# KiCad board Z3660_v022.kicad_pcb (continued)
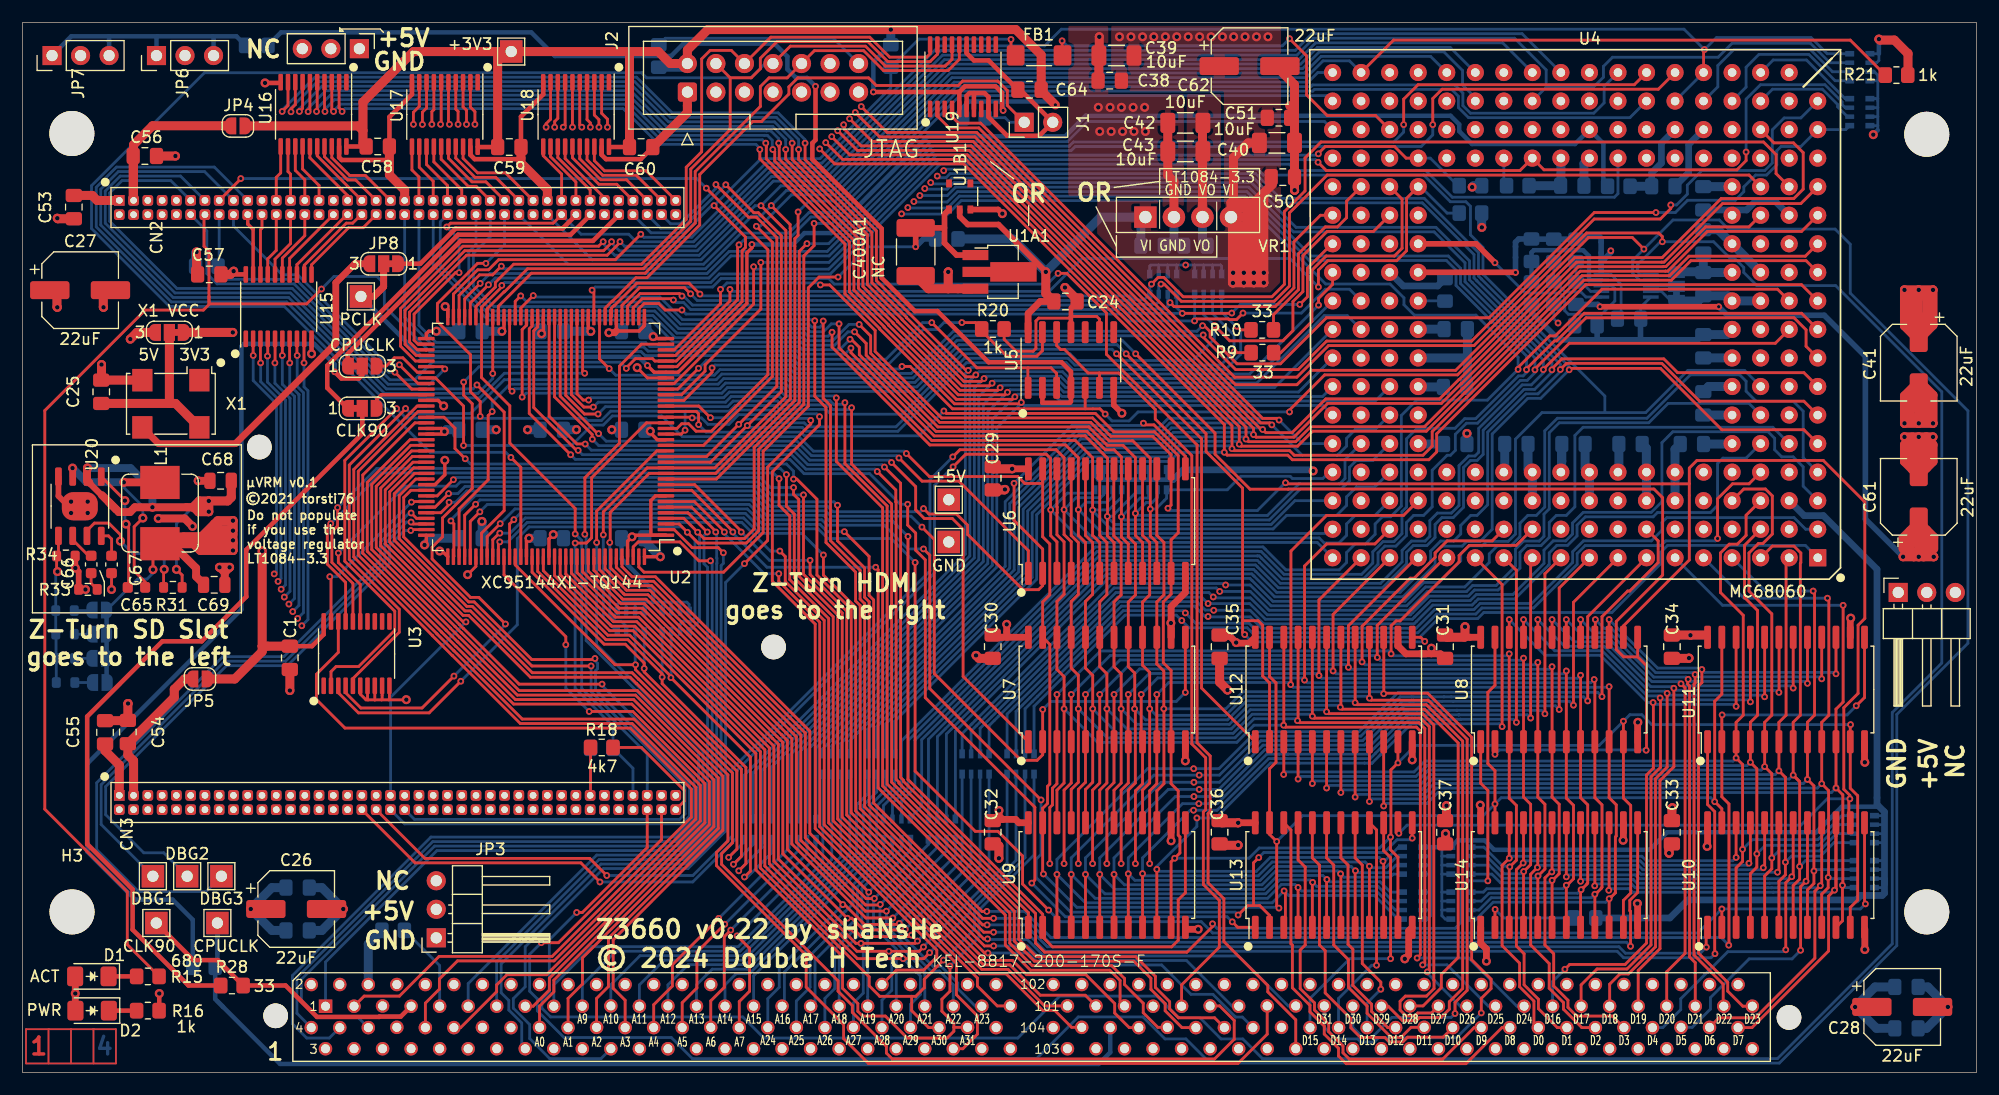
[diagram p0: board, top side]
## Routing (per net, layer and track width the routed paths; a pad name or vN(x,y) marks a point on that pad's centre or on a via; arc(x,y) is an arc through that point) (continued)
  Bottom w0.25: U4.65 117.71,54.53 117.71,52.86 117.24,52.39 113.63,52.39 110.81,49.57 99.25,49.57 v2(99.06,49.76) 100.03,50.72 100.55,50.72 101.04,51.2 RN11.6 ; 36.56,76.33 36.56,71.85 41.45,66.96 55.95,66.96 57.92,64.99 69.33,64.99 69.6,64.72 72.29,64.72 73.47,65.91 v2(74.07,65.91)
D040_31: length 105.9
  Top w0.25: 100.97,44.42 100.97,47.16 100.38,47.74 v2(100.38,50.14) 100.38,54.65 98.83,56.21 96.71,56.21 95.08,57.85 81.64,57.85 75.5,64 75.5,65.55 v2(74.47,66.57)
  Bottom w0.25: v2(74.47,66.57) 73.57,66.57 72.12,65.12 69.76,65.12 69.49,65.39 58.08,65.39 56.11,67.36 41.63,67.36 37.19,71.8 37.19,75.69 37.83,76.33 ; v2(100.38,50.14) 100.88,50.14 101.84,51.11 RN11.5 107.24,51.86 108.44,53.06 112.84,53.06 113.04,52.86 115.74,52.86 116.31,53.42 U4.60
Earth: length 456.8
  Top w0.25: U2.114 40.36,45.04 v1(39.62,44.3) ; 31.97,33.16 32.61,33.16 ; 31.97,33.16 31.36,33.16 ; 31.97,33.16 32.01,33.2 U3.9 ; 32.61,33.16 32.66,33.22 U3.10 ; 32.61,33.16 34.15,33.16 v1(34.16,33.18) ; U3.6 30.06,33.68 30.58,33.16 30.75,33.16 ; C43.2 101.94,81.29 ; 31.36,33.16 30.75,33.16 ; 31.36,33.16 U3.8 ; CN3.67 50.56,24.7 R18.1 ; U3.7 30.71,33.2 30.75,33.16 ; v1(54.71,62.72) 55.62,61.81 U2.29 ; 37.33,56.81 v1(37.56,57.04) ; R20.2 87.38,65.25 88.44,64.19 89.96,64.19 90.2,64.43 90.2,66.88 90.46,67.13 93.17,67.13 93.32,67.28 95.62,67.28 95.86,67.04 U5.9 ; v1(7.93,42.98) C67.1
  Top w0.3: v1(37.59,54.48) 37.59,53.19 36.71,52.31 U2.99 ; v1(42.67,65.96) 42.86,66.15 U2.62 ; 20.05,76.33 20.05,75.5 20.53,75.02 U15.19 ; U2.108 35.95,47.1 v1(35.79,46.95) ; U2.18 56.5,56.31 55.88,56.94 v1(55.88,57.07) ; U2.36 56.31,65.31 v1(56.13,65.49) ; v1(37.56,57.04) 37.29,57.31 U2.89 ; U2.144 56.76,45.9 v1(56.77,45.89) ; v1(45.09,47.54) 44.86,47.32 U2.123 ; U2.47 50.36,66.18 v1(50.59,65.95) ; v1(37.62,68.16) 37.86,67.93 U2.72 ; U2.90 37.33,56.81
  Top w0.4: v1(25.73,63.96) 25.73,63.96 U15.10 ; C58.2 32.66,85.03 34.67,87.04 U17.10 ; v1(21.59,88.06) 22.91,88.06 U16.10 ; R16.1 12.18,5.52 v1(12.18,7.03) ; 84.69,87.16 84.29,87.16 84.04,86.91 U19.6 ; 84.69,87.16 U19.7 ; 84.69,87.16 85.64,87.16 85.99,86.81 U19.9 85.99,85.02 87.65,83.36 90.5,83.36 J1.2 88.8,87.46 C64.2 86,90.06 84.69,90.06 84.04,90.71 U19.15 ; 32.64,81.2 28.41,81.2 28.18,81.43 U16.19 ; U17.19 39.87,81.66 40.25,81.28 44.3,81.28 44.37,81.35 44.37,85.06 46.35,87.04 U18.10 ; U5.11 93.32,68.06 C24.2 ; U18.19 51.55,81.66 51.94,81.28 55.03,81.28 C60.2
  Top w0.5: v1(87.22,76.43) 86.85,76.79 U1B1.3 ; U20.4 3.2,51.3 4.11,50.39 U20.9 ; R34.2 4.71,45.95 v1(4.71,44.89) 5,44.59 R33.2 5.6,42.99 v1(5.61,42.98) ; v1(97.86,58.67) 97.13,59.39 U5.7
  Top w0.6: U14.14 142.49,20.69 v1(142.47,20.67) ; 126.31,36.85 C31.2 126.22,37.26 125.4,37.26 ; 122.43,38.73 122.43,37.97 123.14,37.26 124.43,37.26 ; v1(123.04,10.12) 123.38,10.46 123.38,12.61 U13.12 ; 163.98,12.77 v1(163.98,10.94) ; U14.12 143.76,15.02 v1(143.74,15.04) ; 125.4,37.26 124.43,37.26 ; 125.4,37.26 125.4,37.75 v1(125.41,37.76) ; 162.69,38.73 162.69,40.39 v1(162.73,40.43) ; U11.12 163.96,27.63 v1(163.98,27.61) ; 124.43,37.26 124.91,37.26 ; U12.12 v1(123.7,27.82) ; v1(143.78,31.16) 143.76,31.15 U8.12 ; v1(104.65,12.75) 103.68,12.75 U9.12 ; U9.14 v1(102.23,20.62) ; 103.51,44.42 103.51,42.72 102.23,41.45 102.23,38.73 102.23,39.98 v1(102.22,40) ; U7.12 v1(103.51,27.73) ; U14.1 129.79,11.5 130.3,10.99 v1(130.3,9.91)
  Top w0.7: v1(15.14,48.61) 14.44,49.3 v1(12.09,49.3) ; C68.2 v1(15.64,52.66) ; 18.01,43.48 18.01,44.48 ; 18.01,44.48 v1(17.54,44.95) ; 18.01,44.48 18.44,44.92 v1(18.44,44.95)
  Top w0.8: 168.81,61.51 167.51,60.21 v1(167.51,57.77) v1(170.05,57.77) 170.05,60.27 168.81,61.51 ; 168.81,61.51 168.81,57.8 v1(168.78,57.77) ; C35.2 106.55,34.74 v1(107.26,34.04) ; 34.02,77.6 34.02,78.52 32.66,79.87 C58.2 ; v1(82.4,71.24) 82.4,69.74 ; 82.4,69.74 84.52,69.74 ; 82.4,69.74 80.64,69.74 C400A1.2 ; 169.48,53.8 169.48,56.5 169.42,56.56 ; 168.21,53.67 168.21,55.86 v1(167.51,56.56) v1(170.05,56.56) ; 113.22,85.96 C40.2 113.22,79.43 ; 113.22,85.96 113.22,87.9 111.28,89.84 ; 113.22,85.96 113.16,86.03 112.8,86.03 ; 169.55,57.83 169.55,60.12 169.16,60.5 ; 113.22,79.43 113.22,78.52 v1(113.23,78.51) ; 113.22,79.43 C50.2 ; VR1.2 102.49,79.29 101.94,79.84 101.94,81.29 ; C34.2 148.31,36.85 v1(148.34,36.88) ; C33.2 146.56,20.09 v1(146.56,19.52) 146.56,20.34 ; C55.2 9.36,31.31 C54.2 9.38,32.82 v1(9.4,32.84) ; C30.2 85.13,36.85 v1(84.87,37.11) ; v1(7.04,63) 7.04,61.64 C25.2 10.66,61.61 X1.2 ; 168.78,53.1 167.51,54.37 167.51,55.86 168.78,54.59 170.05,55.86 170.05,54.37 168.78,53.1 ; 168.78,53.1 v1(168.78,56.56) ; 26.43,14.55 v1(28.55,14.55) ; v1(108.2,20.24) 108.18,20.22 106.68,20.22 C36.2 ; v1(3.1,76.02) 3.15,75.97 C53.2 ; 169.25,5.84 v1(171.37,5.84) ; C1.2 23.8,35.86 v1(23.8,33.99) ; v1(86.91,19.07) 86.91,20.17 86.61,20.47 ; 46.72,77.6 46.72,78.59 44.37,80.93 C59.2 ; C57.2 15.49,71.12 v1(15.49,73.02) ; C60.2 59.18,85.43 J2.1 ; v1(87.45,51.89) 87.4,51.84 C29.2 ; 168.27,60.24 168.02,59.99 168.02,57.83 ; v1(95.84,92.16) 95.84,90.53 C39.2 95.81,88.33 C38.2 ; v1(168.78,57.77) 168.02,58.53 ; v1(168.78,57.77) 169.42,58.4 ; v1(17.54,44.95) v1(18.44,44.95) ; C43.2 C42.2 ; 93.87,68.77 v1(92.79,69.86) ; 7.19,69.62 7.19,68.11 v1(7.21,68.09) ; 126.67,20.37 v1(126.67,21.26) ; v1(13.61,81.55) C56.2
  In1.Cu w0.3: 51.8,76.33 53.07,77.6 ; CN3.24 23.86,24.66 ; 26.4,76.33 27.67,77.6 ; CN3.34 CN3.35 ; 45.45,76.33 46.72,77.6 ; 32.75,76.33 34.02,77.6 ; 20.05,76.33 21.32,77.6
  Bottom w0.25: 164.94,86.66 RN2.1 165.14,86.66 ; U1.5 141.41,71.01 142.29,70.12 142.29,67.4 C63.2 ; CN3.67 50.56,24.7 R1.2 ; RN1.4 165.14,88.25 ; 165.14,88.25 165.14,86.66 ; 165.14,88.25 165.14,88.75 164.84,89.06 RN1.3 ; RN2.3 165.14,85.06 ; 165.14,85.06 165.14,84.25 ; 165.14,85.06 165.14,85.86 ; 165.14,84.25 165.14,83.86 ; 165.14,84.25 RN2.4 ; RN2.2 165.14,85.86 ; 165.14,85.86 165.14,86.66 ; JP12.1 146.74,68.65 145.88,69.51 U1.9
  Bottom w0.4: v1(164.74,83.46) 165.14,83.86
  Bottom w0.5: NT1.2 140.51,72.16 ; 140.51,72.16 140.51,71.23 140.53,71.21 ; 140.51,72.16 140.56,72.16 141.38,72.97 v2(141.38,73.12)
  Bottom w0.6: C47.2 153.47,76.75 154.21,77.5 156.04,77.5 U4.110 ; U4.132 145.88,82.69 145.88,80.93 145.01,80.06 145.01,78.85 C46.2
  Bottom w0.8: U4.47 134.39,53.28 134.01,53.67 C19.2 ; C20.2 144.54,55.56 144.54,53.44 U4.20 U4.43 ; U4.186 152.17,58.51 C17.2 ; C9.2 v1(45.09,47.54) ; C13.2 26.65,16.45 v1(28.55,14.55) 26.65,12.64 C11.2 ; C23.2 139.09,53.75 139.47,53.36 139.47,50.88 ; 128.61,63.57 128.61,61.07 C16.2 ; 128.61,63.57 C49.2 ; 128.61,63.57 128.6,63.58 U4.191 ; U4.99 150.92,75 C48.2 ; C52.2 C44.2 ; C7.2 55.52,57.07 v1(55.88,57.07) ; C3.2 55.66,65.96 v1(56.13,65.49) ; U4.93 152.23,68.66 151.79,69.11 C21.2 149.14,68.65 JP12.1 ; C4.2 v1(42.67,65.96) ; CN1.10 30.78,11.44 R13.2 ; VR1.2 102.49,73.58 ; R17.1 15.41,72.93 v1(15.49,73.02) ; C2.2 50.58,65.96 v1(50.59,65.95) ; 145.01,78.85 145,78.86 R12.2 ; C12.2 169.6,7.62 v1(171.37,5.84) 169.47,3.93 C14.2 ; v1(49.3,57.21) 49.29,57.2 C6.2 ; C15.2 152.17,63.59 U4.190 ; 139.47,81.36 138.98,80.87 C45.2 ; C8.2 36.39,47.54 v1(35.79,46.95) ; v1(56.77,45.89) 55.39,47.27 C10.2 ; C22.2 128.57,56.87 v1(128.57,56.87) ; C5.2 37.72,57.2 v1(37.56,57.04) ; U4.42 U4.20 147.09,53.43 147.09,55.46 C18.2
  vias: v1(4.33,50.8) v1(4.33,49.79) v1(5.81,50.8) v1(5.81,49.79) v1(95.76,85.89) v1(95.89,83.74) v1(96.8,85.89) v1(96.9,83.74) v1(97.81,85.89) v1(97.92,83.74) v1(98.86,85.89) v1(98.93,83.74) v1(99.88,85.89) v1(99.95,83.74)
FC0: length 91.9
  Top w0.25: U2.85 35.13,59.31 29.49,53.67 29.49,45.88 36.5,38.87 36.5,38.86 38.24,37.12 38.25,37.12 44.31,31.05 54.27,31.05 59.94,25.38 59.94,22.56 47.31,9.93 38.72,9.93 37.11,8.33 37.11,7.42 35.86,6.17 CN1.20
FC1: length 87.7
  Top w0.25: CN1.24 39,4 42.21,7.2 42.21,7.79 43.12,8.71 46.65,8.71 60.34,22.39 60.34,25.55 54.43,31.45 44.48,31.45 38.41,37.52 38.41,37.52 36.9,39.03 36.9,39.04 29.89,46.04 29.89,53.5 35.2,58.81 U2.86
FC2: length 110
  Top w0.25: v2(68.63,52.81) 68.92,52.81 70.71,51.02 70.71,44.27 73.76,41.22 73.76,23.12 85.62,11.26 v2(86.44,11.26) ; U2.87 37.52,58.31 38.5,57.33 38.5,55.53 v2(39.41,54.61)
  Bottom w0.25: v2(39.41,54.61) 39.87,54.15 67.99,54.15 68.63,53.51 v2(68.63,52.81) ; CN1.125 107.67,5.9 103.6,9.97 90.74,9.97 89.45,11.26 v2(86.44,11.26)
FPGA_PRESENCE: length 28.2
  Top w0.25: v2(33.15,62.31) 34.65,60.81 U2.82
  Bottom w0.25: v2(33.15,62.31) 32.6,62.31 24.34,70.58 17.73,70.58 17.41,70.9 R17.2 17.41,71.75 17.51,71.85 17.51,76.33
I2C0_CLK: length 327.7
  Top w0.25: v2(144.32,73.27) 143.29,74.31 139.39,74.31 127.56,62.48 114.71,62.48 113.44,61.21 107.97,61.21 85.12,84.06 82.49,84.06 81.44,85.11 U19.2 ; CN3.78 56.88,20.72 47.71,11.55 v2(46.18,11.55)
  Bottom w0.25: U1.7 143.93,70.51 143.31,71.13 143.31,72.26 v2(144.32,73.27) 146.91,75.86 151.04,75.86 151.84,75.05 161.34,75.05 162.69,73.71 162.69,69.36 173.16,58.88 173.16,38.2 166.83,31.87 166.83,11.29 156.38,0.84 105.71,0.84 103.56,2.99 101.69,2.99 99.74,4.95 93.97,4.95 90.26,1.24 59.63,1.24 57.75,3.11 48.2,3.11 45.83,5.49 45.83,6.55 45.15,7.23 45.15,10.52 v2(46.18,11.55)
I2C0_SDA: length 317.2
  Top w0.25: U19.4 82.74,85.06 83.31,84.48 85.29,84.48 107.89,61.88 113.44,61.88 116.25,64.69 129.2,64.69 139.22,74.71 145.64,74.71 145.96,74.38 v2(145.96,73.92) ; CN3.76 55.61,20.02 49.83,14.24 v2(49.33,14.24)
  Bottom w0.25: U1.6 144,71.01 143.76,71.24 143.76,71.9 145.79,73.92 v2(145.96,73.92) 150.52,73.92 151.94,72.51 152.34,72.51 153.21,71.63 153.21,71.19 154.38,70.02 161.39,70.02 170.83,60.58 170.83,36.44 166.43,32.03 166.43,11.46 156.21,1.24 110.36,1.24 108.61,2.99 106.68,2.99 104.8,4.87 102.9,4.87 100.97,6.8 92.33,6.8 88.6,3.07 65.99,3.07 64.11,4.95 47.01,4.95 46.23,5.73 46.23,6.52 46.9,7.19 46.9,11.81 v2(49.33,14.24)
INT6_ARM: length 40.2
  Top w0.25: v2(49.19,47.11) 50.19,47.11 50.66,47.58 50.66,52.93 55.54,57.81 U2.21
  Bottom w0.25: CN3.73 54.34,27.07 R1.1 52.56,30.82 49.19,34.19 v2(49.19,47.11)
LEBUS0: length 56.4
  Top w0.25: U2.52 47.86,60.19 51.2,56.85 v2(51.28,56.85) ; 89.54,44.42 89.54,46.44 83.35,52.62 80.07,52.62 v2(78.01,54.68)
  Bottom w0.25: v2(51.28,56.85) 51.95,56.18 68.94,56.18 70.23,54.89 77.8,54.89 v2(78.01,54.68)
LEBUS1: length 71.1
  Top w0.25: U2.53 47.36,60.12 50.71,56.78 50.71,56.37 v2(50.72,56.35) ; v2(77.35,54.28) 79.5,52.13 79.5,50.07 80.27,49.3 82.76,49.3 83.72,48.34 83.72,35.24 89.54,29.43
  Bottom w0.25: v2(50.72,56.35) 51.3,55.78 68.78,55.78 70.06,54.49 77.14,54.49 v2(77.35,54.28)
LEBUS2: length 146.6
  Top w0.25: v2(130.43,17.06) 130.43,25.1 129.79,25.74 U8.1 ; v2(50.09,55.93) 50.08,55.94 49.34,55.94 46.88,58.4 46.88,67.21 U2.54 ; v2(76.72,53.88) 78.16,52.44 78.16,26.26 78.42,26 78.42,25.91 90.17,14.16 90.17,11.51 90.98,10.71 103.64,10.71 105.93,12.99 v2(105.93,13.24)
  Bottom w0.25: v2(130.43,17.06) 128.74,17.06 128.04,16.36 128.04,13.36 127.51,12.83 106.33,12.83 v2(105.93,13.24) ; v2(76.72,53.88) 76.51,54.09 69.9,54.09 68.61,55.38 50.63,55.38 v2(50.09,55.93)
LEBUS3: length 87.3
  Top w0.25: v2(76.08,53.48) 77.73,51.83 77.73,50.78 77.76,50.75 77.76,26.09 78.02,25.84 78.02,25.74 89.54,14.23 89.54,12.92 ; U2.56 45.86,66.35 45.51,66 45.51,59.17 49.32,55.36 v2(49.46,55.36)
  Bottom w0.25: v2(76.08,53.48) 75.87,53.69 69.73,53.69 68.45,54.98 49.85,54.98 v2(49.46,55.36)
LEBUS4: length 105.7
  Top w0.25: U13.1 108.16,12.92 v2(107.68,13.41) ; v2(48.79,54.97) 45.11,58.66 45.11,66.18 45.36,66.43 U2.57 ; v2(78.79,50.57) 78.79,48.71 79.5,48 79.5,46.47 80.36,45.62 80.36,33.36 90.11,23.6 90.11,17.13 v2(89.84,16.86)
  Bottom w0.25: v2(48.79,54.97) 49.21,54.56 68.3,54.56 69.57,53.29 75.41,53.29 78.13,50.57 v2(78.79,50.57) ; v2(107.68,13.41) 107.22,13.86 92.83,13.86 v2(89.84,16.86)
LEBUS5: length 102
  Top w0.25: v2(97.39,63.96) 104.95,56.39 104.95,34.21 U12.1 ; v2(44.48,60.1) 44.48,66.11 44.86,66.49 U2.58
  Bottom w0.25: v2(97.39,63.96) 96.98,64.36 83.52,64.36 79.77,60.61 68.05,60.61 67.71,60.95 62.75,60.95 62.25,60.45 44.82,60.45 v2(44.48,60.1)
LEBUS6: length 174.3
  Top w0.25: U2.59 44.36,68.03 v2(45.46,69.13) ; v2(86.44,12.49) 85.56,12.49 74.56,23.48 74.56,41.56 74.15,41.96 74.15,44.53 71.52,47.16 71.52,59.18 70.52,60.18 v2(70.52,66.9) ; v2(150.65,10.57) 150.62,10.6 150.62,23.21 149.99,23.85 149.99,29.43
  Bottom w0.25: v2(86.44,12.49) 89.36,12.49 91.05,10.79 141.94,10.79 142.51,10.22 150.29,10.22 v2(150.65,10.57) ; v2(45.46,69.13) 45.59,69.01 56.73,69.01 58.74,66.99 70.42,66.99 v2(70.52,66.9)
LEBUS7: length 157.6
  Top w0.25: v2(149.88,11.16) 149.86,11.18 149.86,12.92 ; v2(44.35,69.11) 43.86,68.62 U2.60 ; v2(71.27,66.87) 71.27,59.99 71.92,59.35 71.92,47.33 74.55,44.69 74.55,42.13 74.96,41.72 74.96,23.65 85.47,13.14 v2(85.86,13.14)
  Bottom w0.25: v2(149.88,11.16) 149.34,10.62 142.68,10.62 142.1,11.19 91.22,11.19 89.27,13.14 v2(85.86,13.14) ; v2(71.27,66.87) 71.27,66.62 70.97,66.32 70.26,66.32 69.99,66.59 58.58,66.59 56.61,68.56 44.9,68.56 v2(44.35,69.11)
LEBUS_DMA: length 214.9
  Top w0.25: U13.14 122.43,21.37 v2(122.51,21.29) ; v2(101.96,50.21) 102.23,50.49 U6.14 102.23,54.97 100.6,56.61 96.88,56.61 95.24,58.25 81.81,58.25 75.9,64.16 75.9,66.03 71.85,70.08 v2(71.02,70.08) ; 142.49,38.73 142.49,39.74 148.36,45.61 148.36,52.41 ; v2(112.42,52.48) 112.52,52.38 148.34,52.38 148.36,52.41 ; 148.36,52.41 148.36,53.79 149.04,54.46 160.29,54.46 163.98,50.77 163.98,40.41 163.38,39.81 163.38,33.74 162.11,32.47 162.11,25.21 162.65,24.67 v2(162.65,24.36) 162.56,24.26 162.56,22.22 ; U2.34 58.02,64.31 62.13,68.42 v2(62.13,69.68)
  Bottom w0.25: v2(71.02,70.08) 70.84,70.26 62.7,70.26 v2(62.13,69.68) ; v2(101.96,50.21) 102.16,50.01 109.92,50.01 112.39,52.48 v2(112.42,52.48) ; v2(122.51,21.29) 123.23,22.01 158.29,22.01 160.64,24.36 v2(162.65,24.36)
LED: length 168.7
  Top w0.25: U5.1 89.49,60.95 89.49,62.71 ; v2(26.61,69.72) 25.29,68.4 16.65,68.4 ; 16.65,68.4 16.1,67.84 10.93,67.84 1.99,58.9 1.99,23.43 9.33,16.09 9.33,11.39 R15.1 ; 16.65,68.4 16.6,68.45 16.6,69.06 ; 89.49,62.71 91.54,62.71 92.05,62.2 U5.3 ; 89.49,62.71 84.96,62.71 v2(80.94,66.73) ; 16.6,69.06 16.6,73.08 16.16,73.52 16.16,76.25 16.24,76.33 ; 16.6,69.06 16.6,68.6
  Bottom w0.25: v2(26.61,69.72) 27.73,70.84 31.55,70.84 32.21,70.18 32.21,68.19 36.24,64.16 55.06,64.16 55.43,63.79 68.83,63.79 69.15,63.47 76.86,63.47 80.12,66.73 v2(80.94,66.73)
LEDR: length 23.5
  Bottom w0.4: JP6.3 17.01,92.14 16.94,92.21 ; JP7.1 4.35,92.21 7.7,92.21 ; 16.94,92.21 19.04,92.21 R19.2 ; 16.94,92.21 12.01,92.21 ; JP6.1 11.93,92.12 12.01,92.21 ; 7.7,92.21 12.01,92.21 ; 7.7,92.21 7.71,92.19 JP7.3
nTBI_FPGA: length 70.8
  Top w0.25: v2(50.61,36.17) 45.35,36.17 40.04,41.48 39.55,41.48 33.53,47.49 33.53,51.33 35.01,52.81 U2.98
  Bottom w0.25: v2(50.61,36.17) 50.61,33.9 58.98,25.54 58.98,23.02 58.48,22.53 34.89,22.53 34.02,23.39
nTS_FPGA: length 72.5
  Top w0.25: U2.100 34.58,51.81 33.93,51.17 33.93,47.66 39.71,41.88 40.21,41.88 45.34,36.75 50.86,36.75 v2(50.96,36.84)
  Bottom w0.25: CN3.40 34.02,22.12 58.69,22.12 59.38,22.81 59.38,25.7 51.01,34.07 51.01,35.76 51.19,35.94 51.19,36.41 50.96,36.65 v2(50.96,36.84)
OEBUS0: length 90.2
  Top w0.25: U6.13 103.51,54.84 100.71,57.63 99.92,57.63 v2(99.77,57.78) ; v2(80.2,50.19) 80.69,49.7 83.13,49.7 84.12,48.71 84.12,47.89 89.04,42.97 90.44,42.97 90.8,43.33 90.8,46.58 88.26,49.13 v2(88.26,52.43) ; v2(37.97,50.74) 37.97,50.55 37.24,49.81 U2.104
  Bottom w0.25: v2(88.26,52.43) 93.4,57.58 99.57,57.58 v2(99.77,57.78) ; v2(80.2,50.19) 79.92,49.9 72.12,49.9 71.64,50.38 66.55,50.38 65.18,51.75 39.55,51.75 38.54,50.74 v2(37.97,50.74)
OEBUS1: length 96.2
  Top w0.25: 103.51,38.73 v2(103.51,33.83) ; v2(90.81,32.3) 90.8,32.3 U7.2 90.8,28.28 90.31,27.78 88.87,27.78 81.16,35.5 81.16,47.44 v2(80.06,48.53) ; U2.110 38.4,45.94 38.4,48.82 v2(38.13,49.08)
  Bottom w0.25: v2(38.13,49.08) 38.13,49.18 40.31,51.35 65.01,51.35 66.38,49.98 71.48,49.98 71.96,49.5 79.09,49.5 v2(80.06,48.53) ; v2(90.81,32.3) 91.53,33.02 102.7,33.02 v2(103.51,33.83)
OEBUS2: length 170.1
  Top w0.25: U2.111 38.86,50.15 41.45,52.74 41.45,58.46 v2(41.81,58.81) ; v2(144.52,28.68) 144.55,28.71 144.55,36.2 143.76,36.99 ; 143.76,36.99 142.51,36.99 141.86,37.64 141.86,40.14 145.99,44.27 145.99,51.15 145.21,51.92 112.68,51.92 112.66,51.91 109.26,51.91 106.15,55.02 106.15,56.89 v2(99.09,63.96) ; 143.76,36.99 143.76,38.73
  Bottom w0.25: v2(99.09,63.96) 97.88,65.16 83.19,65.16 79.43,61.41 68.38,61.41 68.04,61.75 62.42,61.75 61.91,61.25 43.39,61.25 41.81,59.67 v2(41.81,58.81) ; v2(131.06,28.32) 131.46,28.71 144.49,28.71 v2(144.52,28.68)
OEBUS3: length 109.1
  Top w0.25: U9.13 103.51,16 102.87,15.36 102.87,11.77 102.29,11.18 91.68,11.18 90.8,12.05 U9.2 90.8,14.09 78.82,26.08 v2(78.82,47.7) ; U2.112 39.36,49.59 v2(40.34,50.57)
  Bottom w0.25: v2(78.82,47.7) 77.41,49.1 71.79,49.1 71.32,49.58 71.27,49.58 71.26,49.58 66.22,49.58 64.85,50.95 40.72,50.95 v2(40.34,50.57)
OEBUS4: length 123.6
  Top w0.25: v2(110.04,19.13) 109.58,18.67 109.58,14.85 ; U13.2 111,13.98 110.13,14.85 109.04,14.85 v2(108.2,14.02) ; U13.13 v2(123.7,20.86) ; v2(40.71,49.89) 39.86,49.04 U2.113 ; v2(90.66,24.26) 80.76,34.16 80.76,46.03 v2(80.2,46.59)
  Bottom w0.25: v2(123.7,20.86) 123.56,20.71 122.34,20.71 121.21,19.58 110.49,19.58 v2(110.04,19.13) ; v2(108.2,14.02) 107.95,14.27 93.31,14.27 90.24,17.34 90.24,18.99 90.66,19.42 v2(90.66,24.26) ; v2(80.2,46.59) 78.81,46.59 76.7,48.7 71.63,48.7 71.15,49.18 66.05,49.18 64.68,50.55 41.37,50.55 v2(40.71,49.89)
OEBUS5: length 123.2
  Top w0.25: U2.61 43.36,60.84 v2(43.58,60.62) ; v2(108.79,38.97) 108.6,39.16 108.6,40.2 ; 108.6,40.2 109.98,40.2 110.39,39.8 110.39,35.28 111,34.67 U12.2 ; 108.6,40.2 108.6,52 105.35,55.26 105.35,56.84 v2(98.24,63.96) ; v2(124.81,38.36) 124.45,38.73 123.7,38.73
  Bottom w0.25: v2(43.58,60.62) 43.8,60.85 62.08,60.85 62.58,61.35 67.88,61.35 68.22,61.01 79.6,61.01 83.35,64.76 97.43,64.76 v2(98.24,63.96) ; v2(124.81,38.36) 124.77,38.32 109.43,38.32 v2(108.79,38.97)
OEBUS6: length 181.5
  Top w0.25: v2(151.28,31.82) 151.26,31.8 U11.2 151.26,24.53 151.89,23.9 151.89,11.35 v2(151.87,11.33) ; v2(85.83,14.34) 85.4,14.34 75.76,23.98 75.76,42.05 75.35,42.46 75.35,45.93 v2(73.15,48.13) ; v2(42.52,48.84) 41.36,47.68 U2.116 ; v2(163.22,32.63) 163.96,33.37 163.96,38.73
  Bottom w0.25: v2(42.52,48.84) 43.83,50.15 64.52,50.15 65.88,48.78 70.13,48.78 70.14,48.78 70.99,48.78 71.63,48.13 v2(73.15,48.13) ; v2(85.83,14.34) 89.2,14.34 91.53,12.01 151.2,12.01 v2(151.87,11.33) ; v2(163.22,32.63) 162.41,31.82 v2(151.28,31.82)
OEBUS7: length 161.7
  Top w0.25: U10.2 v2(151.26,14.56) ; v2(79.45,45.39) 79.45,26.82 84.81,21.46 86.82,21.46 89.02,19.27 89.02,16.77 v2(91.34,14.45) ; v2(164.03,15.01) 163.96,15.08 U10.13 ; U2.120 43.36,48.81 v2(43.74,49.19)
  Bottom w0.25: v2(43.74,49.19) 44.29,49.75 64.35,49.75 65.73,48.38 70.82,48.38 71.68,47.52 77.32,47.52 v2(79.45,45.39) ; v2(164.03,15.01) 163.58,14.56 v2(151.26,14.56) 149.12,12.42 105.93,12.42 104.93,13.42 92.37,13.42 v2(91.34,14.45)
PCLK: length 139.4
  Top w0.3: v2(64.92,73.68) 64.92,73.39 64.48,72.94 64.48,68.43 58.36,62.31 U2.30 56.23,62.31 v2(55.63,62.91)
  Top w0.6: 31.54,69.33 31.28,69.06 TP9.1 ; 31.54,69.33 32.15,69.93 ; 31.54,69.33 32.15,69.93 ; 32.15,69.93 JP8.2 32.15,69.93
  Bottom w0.4: R12.1 140.72,79.23 140.72,82.66 139.47,83.9 138.19,82.62 129.02,82.62 127.88,83.76 127.88,84.36 127.11,85.14 94.64,85.14 92.81,83.31 80.58,83.31 71.97,74.7 69.6,74.7 68.58,73.68 v2(64.92,73.68) ; TP9.1 35.5,63.68 54.85,63.68 v2(55.63,62.91)
PCLK_FPGA: length 17.6
  Top w0.4: 49.26,76.33 49.26,76.29 48.07,75.1 38.54,75.1 35.41,71.97 JP8.1
PCLK_OSC: length 30.6
  Top w0.6: X1.3 12.12,55.96 18.95,55.96 27.89,64.89 27.89,70.28 29.58,71.97 JP8.3
PS_MIO0: length 49
  Top w0.25: U2.78 37.39,62.81 v2(37.59,62.61)
  Bottom w0.25: 14.97,77.6 13.2,79.37 8.87,79.37 7.77,78.27 7.77,75.74 13.74,69.77 24.02,69.77 32.54,61.24 36.23,61.24 v2(37.59,62.61)
PS_MIO8: length 69.6
  Top w0.25: v2(40.45,61.18) 42.88,58.76 42.88,50.01 40.86,47.99 U2.115
  Bottom w0.25: 16.24,77.6 14.07,79.77 8.7,79.77 7.37,78.44 7.37,75.58 13.58,69.37 23.85,69.37 32.39,60.83 40.1,60.83 v2(40.45,61.18)
PS_MIO9: length 75
  Top w0.25: v2(19.43,79.55) 19.43,79.52 17.51,77.6 ; v2(60.87,78.69) 66.34,73.21 66.34,62.1 61.32,57.07 59.95,57.07 59.29,57.73 58.67,57.73 58.25,57.31 U2.20
  Bottom w0.25: v2(19.43,79.55) 60.01,79.55 v2(60.87,78.69)
PS_MIO12: length 63.8
  Top w0.25: U2.64 v2(41.86,62.2)
  Bottom w0.25: 18.78,77.6 16.21,80.17 8.54,80.17 6.97,78.6 6.97,75.41 13.41,68.97 23.69,68.97 32.22,60.43 40.53,60.43 41.86,61.76 v2(41.86,62.2)
PS_MIO13: length 74.7
  Top w0.25: v2(50.04,62.22) 49.86,62.41 U2.48
  Bottom w0.25: v2(50.04,62.22) 50.04,62.22 42.89,62.22 40.7,60.03 32.06,60.03 23.52,68.57 13.25,68.57 6.57,75.25 6.57,78.77 8.37,80.57 17.08,80.57 20.05,77.6
PS_MIO15: length 24
  Top w0.25: U2.81 35.21,61.31 v2(33.55,62.98)
  Bottom w0.25: 18.78,76.33 18.78,75.32 23.11,70.99 24.49,70.99 32.51,62.98 v2(33.55,62.98)
PUP_4: length 8.9
  Top w0.25: v2(131.08,14.52) 131.06,14.5 U14.2
  Bottom w0.25: R14.2 131.84,13.76 v2(131.08,14.52)
R_W: length 83.9
  Top w0.25: CN1.5 30.41,6.8 33.55,6.8 37.08,10.33 47.14,10.33 59.54,22.73 59.54,25.22 54.1,30.65 28.7,30.65 26.16,33.19 26.16,35.44 28.11,37.39 U3.18
R_W040: length 164
  Top w0.25: v2(40.74,58.39) 40.74,59.71 39.88,60.58 39.88,63.88 36.93,66.82 36.93,68.42 40.51,72 v2(41.25,72) ; U2.19 58.63,56.81 v2(58.98,57.15) ; v2(106.09,66.48) 107.45,65.11 112.18,65.11 113.08,66.01 113.08,68.6 113.97,69.49 113.97,72.69 116.13,74.85 120.25,74.85 121.69,76.28 ; U3.2 27.46,35.67 27.91,36.12 29.92,36.12 33.14,39.35 33.14,41.05 28.69,45.5 28.69,54.46 v2(33.3,59.08)
  Bottom w0.25: 59.05,58.85 62.92,58.85 63.42,59.35 67.05,59.35 67.39,59.01 71.52,59.01 71.95,58.58 78.3,58.58 83.68,63.96 93.24,63.96 93.84,63.36 104.17,63.36 106.09,65.27 v2(106.09,66.48) 105.14,67.43 RN20.7 ; 59.05,58.85 52.36,58.85 51.53,58.02 50.3,58.02 50.1,58.21 40.92,58.21 v2(40.74,58.39) 40.59,58.24 34.14,58.24 v2(33.3,59.08) ; 59.05,58.85 58.98,58.77 v2(58.98,57.16) ; v2(41.25,72) 42.91,73.66 42.91,76.33
RESETOUT: length 39.4
  Top w0.25: v2(83.62,66.73) 84.81,66.73 R20.1 85.38,65.98 87.62,63.74 90.28,63.74 90.78,64.23 U5.13 ; U2.27 58.32,60.81 v2(60.18,62.67)
  Bottom w0.25: v2(60.18,62.67) 60.86,63.35 68.7,63.35 69.04,63.01 77.07,63.01 80.17,66.11 81.39,66.11 82.01,66.73 v2(83.62,66.73)
SIZ0: length 114.1
  Top w0.25: CN1.121 106.56,5.93 107.86,4.63 107.86,2.96 106.11,1.21 77.42,1.21 76.9,1.73 76.9,2.32 73.86,5.36 73.86,5.97 72.59,7.24 72.59,8.16 62.23,18.52 62.23,19.48 63.19,20.43 63.19,26.66 54.84,35.01 54.83,35.01 54.26,35.57 45.38,35.57 39.88,41.08 39.38,41.08 33.09,47.37 33.09,51.5 34.9,53.31 U2.97
SIZ1: length 118.1
  Top w0.25: U2.96 34.83,53.81 32.69,51.67 32.69,47.2 39.22,40.68 39.71,40.68 45.21,35.17 54.09,35.17 54.66,34.61 54.67,34.61 62.79,26.49 62.79,20.6 61.77,19.58 61.77,18.41 69.76,10.43 69.76,7.6 73.09,4.27 73.09,3.02 75.3,0.81 108.19,0.81 110.79,3.41 CN1.129
SIZ40_0: length 97.6
  Top w0.25: U2.14 61.25,54.31 64.5,57.57 v2(64.52,57.57) 67.54,60.59 67.54,74.46 65.5,76.51 65.09,76.51 v2(62.6,79) ; R10.2 108.4,66.09 v2(108.08,66.41)
  Bottom w0.25: 55.61,76.33 56.82,75.12 58.73,75.12 62.6,78.99 v2(62.6,79) ; RN20.5 106.74,67.67 108,66.41 v2(108.08,66.41) 108.43,66.06 108.43,63.91 107.08,62.56 93.51,62.56 92.91,63.16 84.01,63.16 77.91,57.06 69.76,57.06 69.41,57.41 64.67,57.41 v2(64.52,57.57)
SIZ40_1: length 95.2
  Top w0.25: R9.2 107.92,64.05 v2(107.84,64.13) ; U2.15 60.89,54.81 v2(63.75,57.68) 67.14,61.07 67.14,74.3 65.33,76.11 64.63,76.11 v2(61.72,79.01)
  Bottom w0.25: 56.88,76.33 57.69,75.52 58.56,75.52 61.72,78.68 v2(61.72,79.01) ; RN20.6 105.94,67.53 107.84,65.62 v2(107.84,64.13) 106.66,62.96 93.68,62.96 93.07,63.56 83.85,63.56 77.75,57.46 69.93,57.46 69.58,57.81 66.89,57.81 66.56,58.14 64.22,58.14 v2(63.75,57.68)
TCK: length 61.7
  Top w0.25: U19.20 80.79,90.66 80.49,90.36 77.19,90.36 75.41,92.13 66.61,92.13 J2.6 63.09,90.95 61.21,90.95 60.45,90.19 60.45,81.93 59.08,80.56 59.08,75.91 55.09,71.93 43.72,71.93 42.09,70.3 42.09,69.9 40.36,68.17 U2.67
TDI: length 57.6
  Top w0.25: U2.63 42.36,68.19 45.3,71.13 55.43,71.13 59.88,75.58 59.88,80.17 65.68,85.97 65.68,87.73 66.45,88.5 68.06,88.5 J2.10 70.49,90.93 74.87,90.93 76.64,89.16 82.39,89.16 83.39,90.16 U19.16
TDO: length 143.3
  Top w0.25: v2(43.47,54.73) 44.36,53.85 U2.122 ; J2.8 68.35,91.33 75.03,91.33 76.81,89.56 82.14,89.56 82.74,90.16 82.74,91.61
  Bottom w0.25: v2(43.47,54.73) 43.02,55.19 36.28,55.19 23.3,68.17 13.08,68.17 6.15,75.1 6.15,78.91 16.2,88.97 55.1,88.97 55.55,88.51 64.83,88.51 66.1,89.78 J2.8
THERM_N: length 10
  Top w0.5: v2(132.89,71.19) 132.88,71.2 U4.196
  Bottom w0.5: v2(132.89,71.19) NT3.2
THERM_P: length 24.7
  Top w0.5: v2(131.06,72.05) 129.37,73.74 U4.197
  Bottom w0.25: v2(131.06,72.05) 133.76,69.36 136.84,69.36 137.27,68.93 137.27,67.8 137.59,67.47 138.18,67.47 ; 138.18,67.47 138.16,67.45 R30.1 ; 138.18,67.47 140.55,67.47 141.73,68.65 141.73,69.77 141.49,70.01 U1.3
TM0: length 72.3
  Top w0.25: U2.40 53.86,68.21 54.97,69.31 58.48,69.31 v2(58.7,69.09) ; v2(102.14,68.51) 102.5,68.16 111.5,68.16 113.17,69.82 113.17,73.92 115.53,76.28 U4.114
  Bottom w0.25: 101.94,68.66 101.94,68.46 ; 101.94,68.66 101.94,68.16 ; 101.94,68.66 RN19.6 ; 101.94,68.16 102.14,68.36 v2(102.14,68.51) ; 101.94,68.16 101.74,67.96 98.56,67.96 98.22,68.29 59.64,68.29 58.83,69.09 v2(58.7,69.09)
